# Altium PCB keyboard_main.PcbDoc (part 1 of 2)
Units mil, origin at the board's own origin, x right, y up, seen from the top; angles counter-clockwise.
Board outline 2610 x 2072.12 mil, 4 copper layers (Top Layer, GND, PWR, Bottom Layer), stack 64.646 mil thick; 120 components, 126 nets, 527 pads, 487 vias.
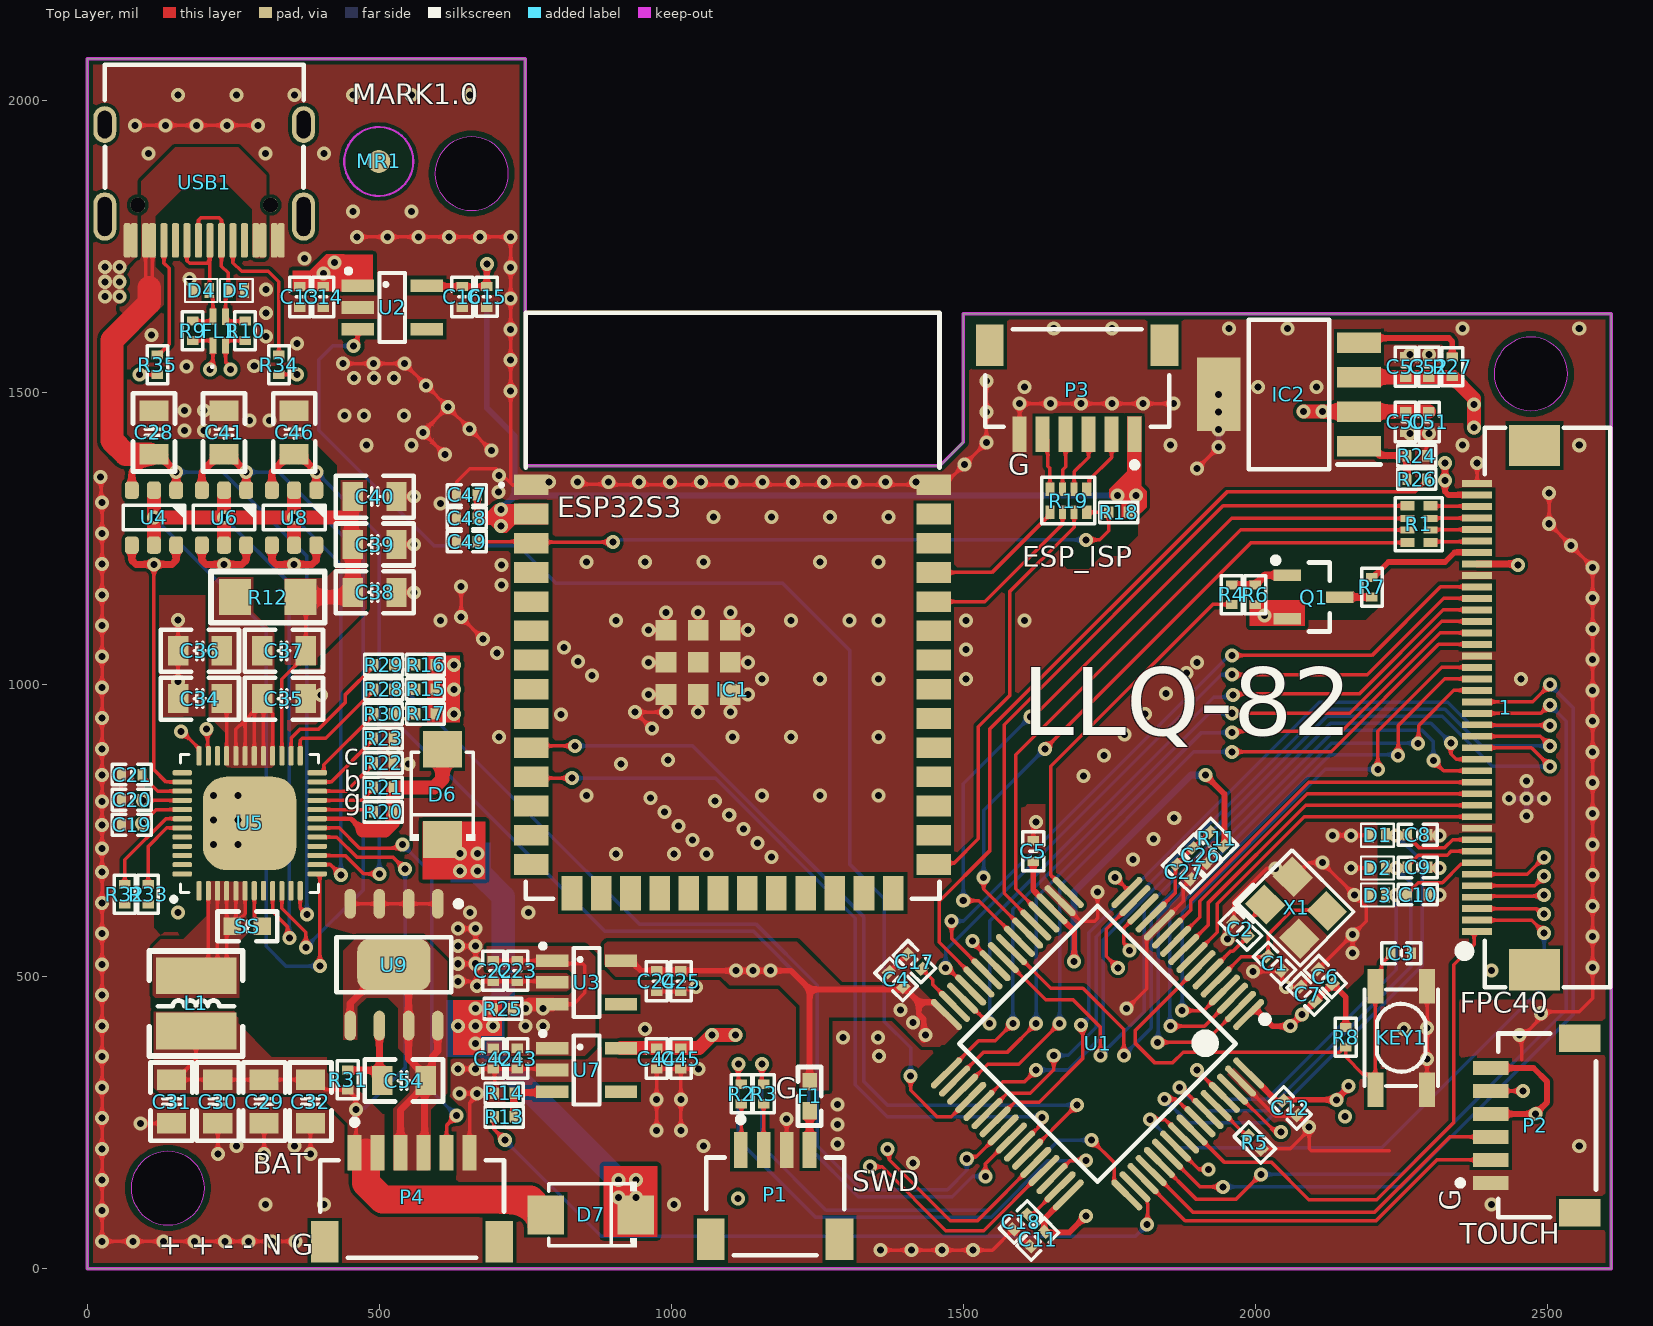
[diagram p0: Top Layer view]
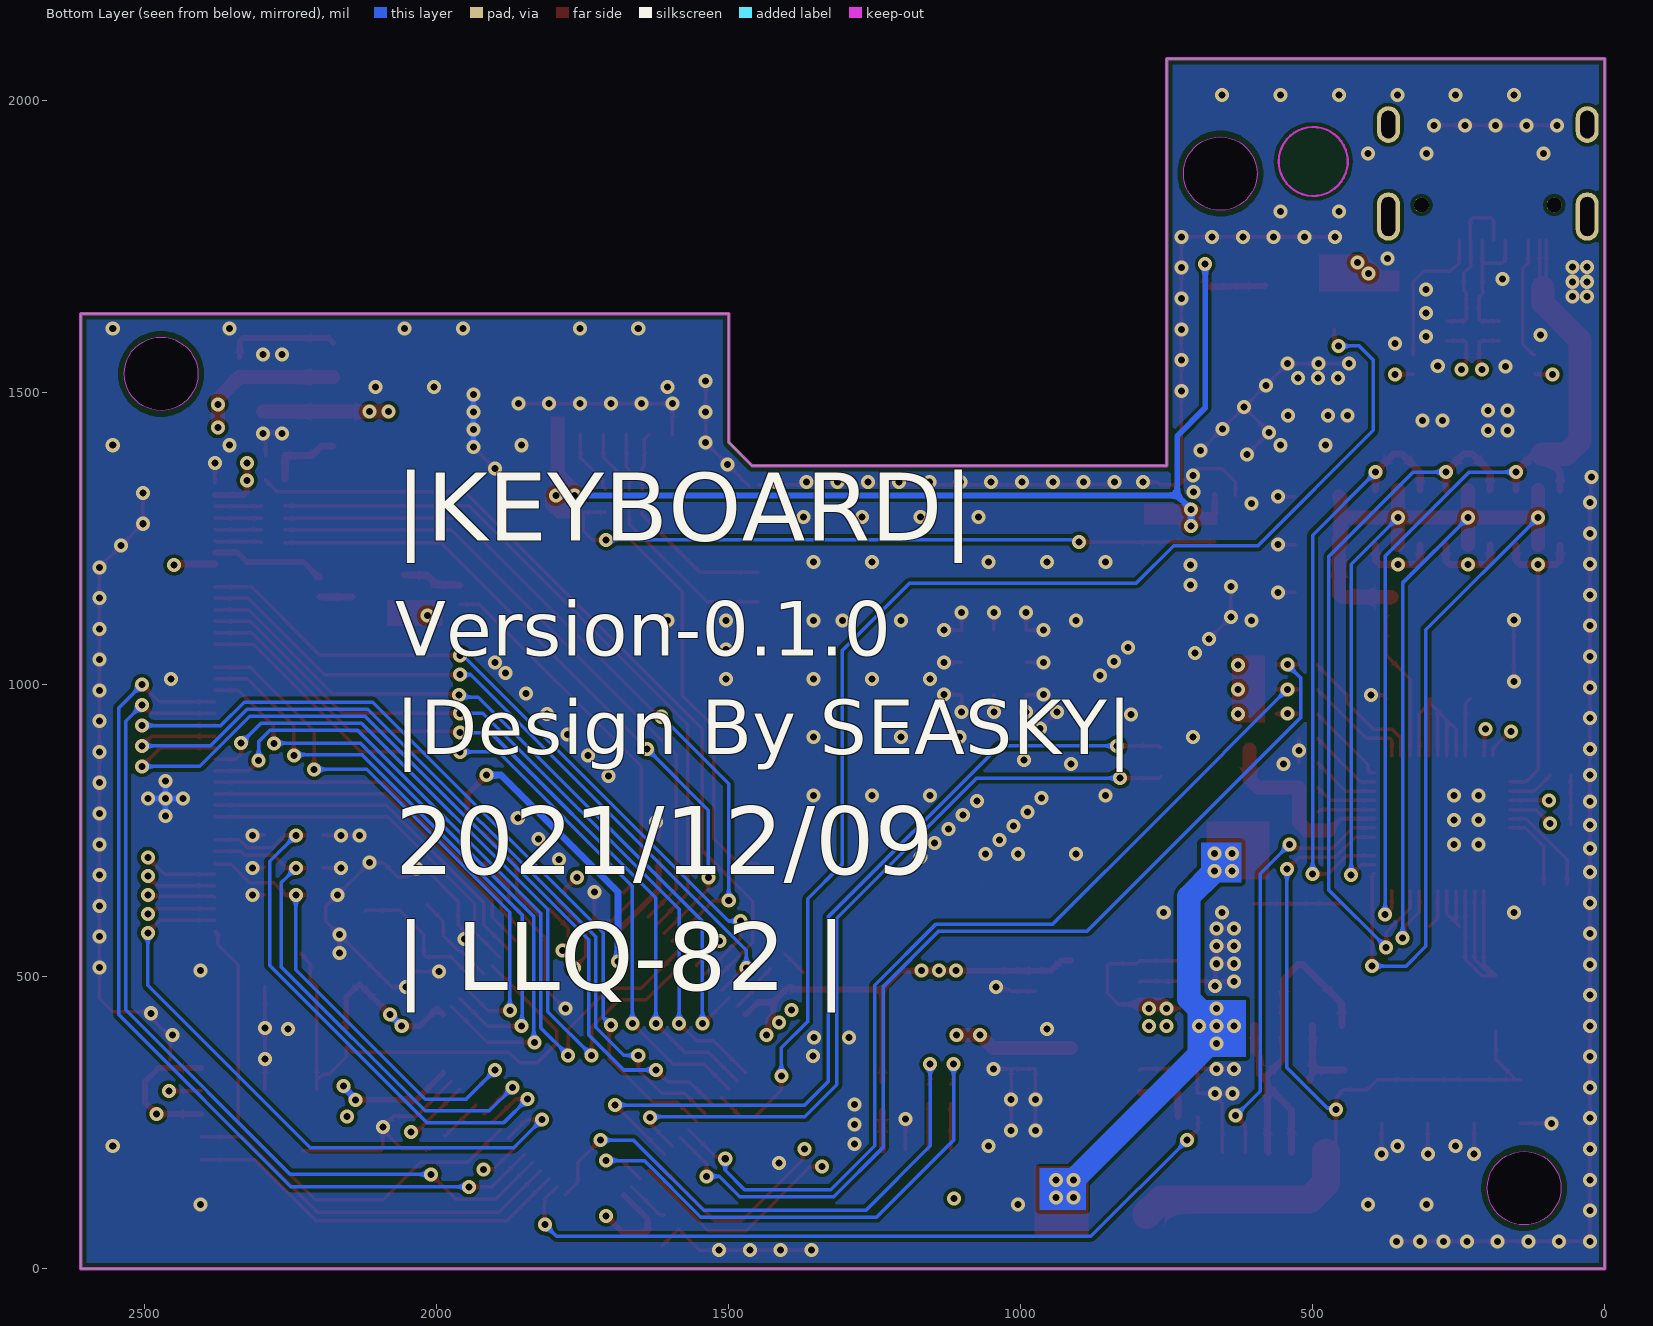
[diagram p1: Bottom Layer view, seen from below]
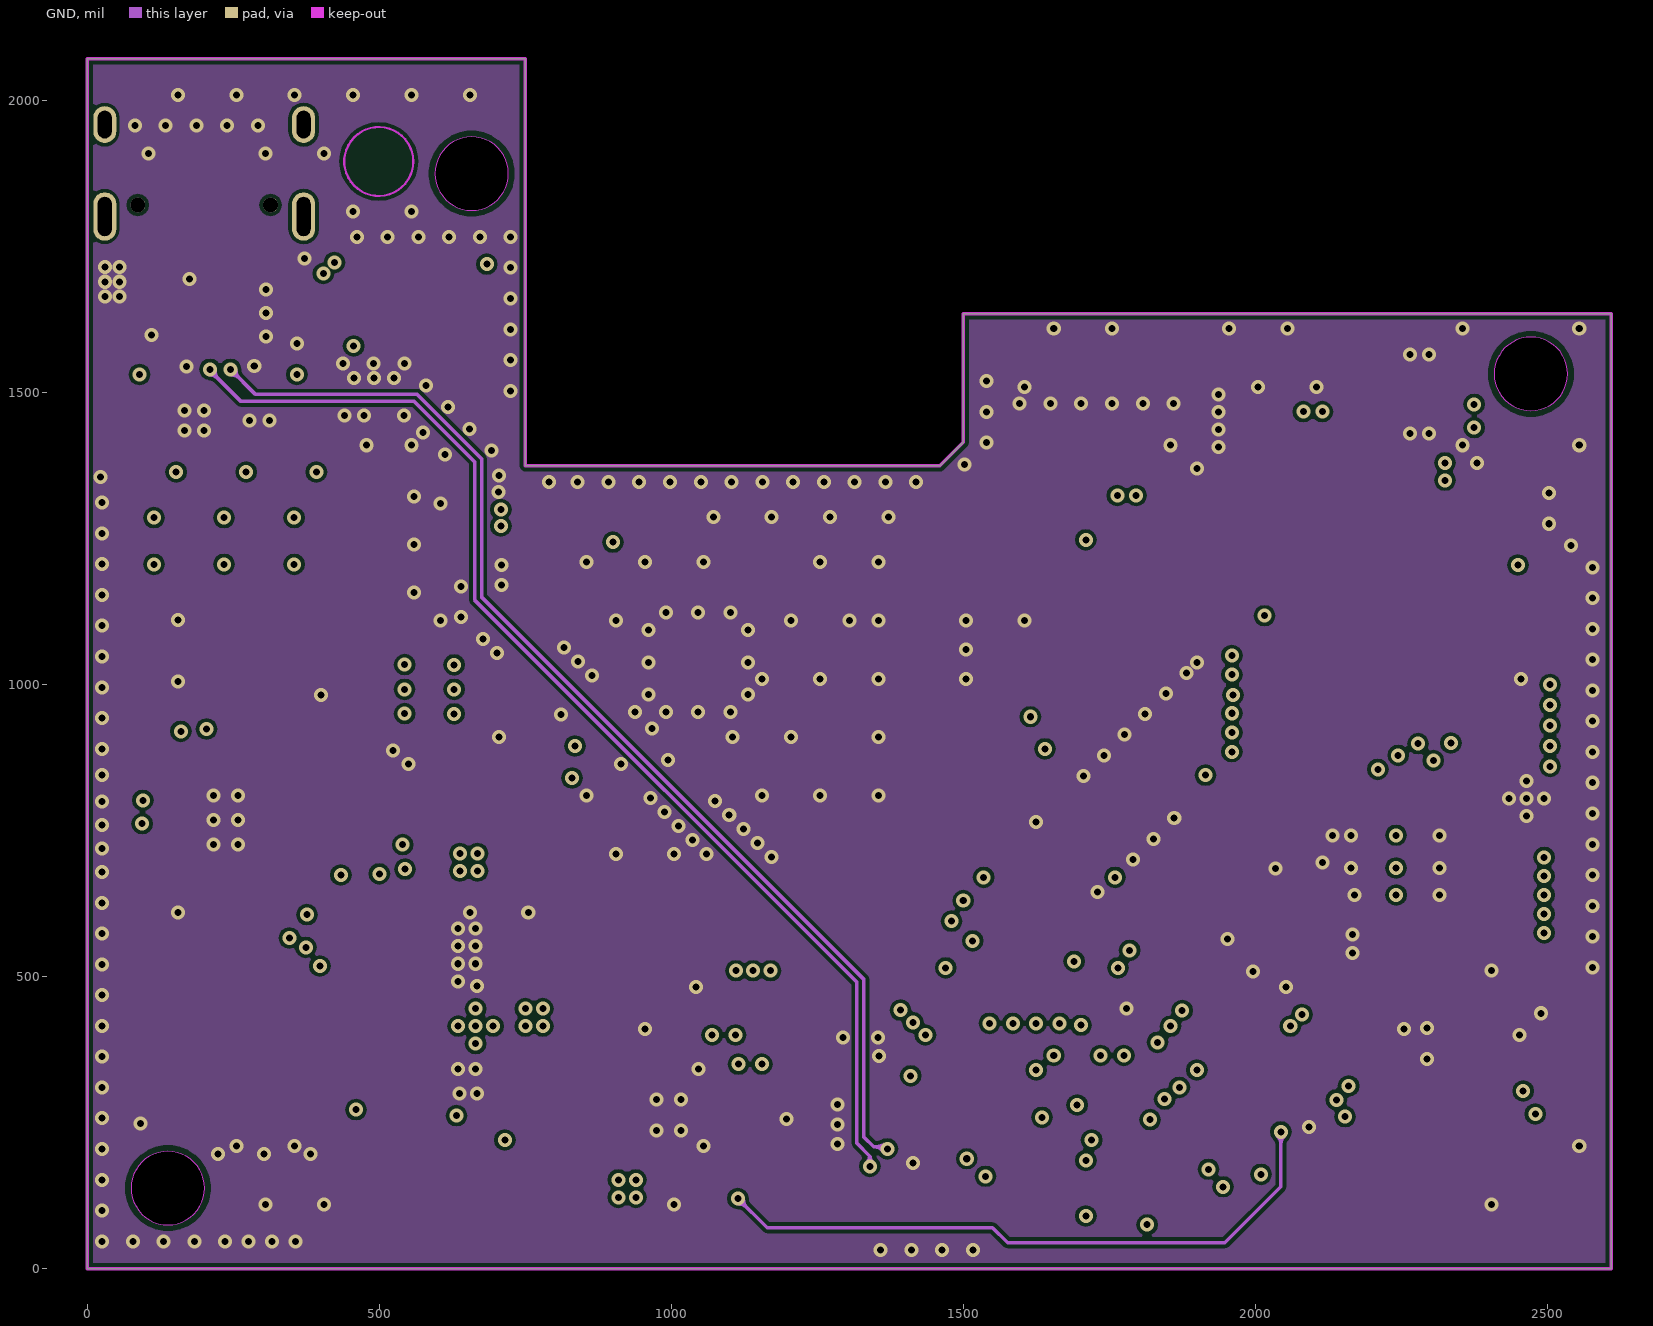
[diagram p2: GND]
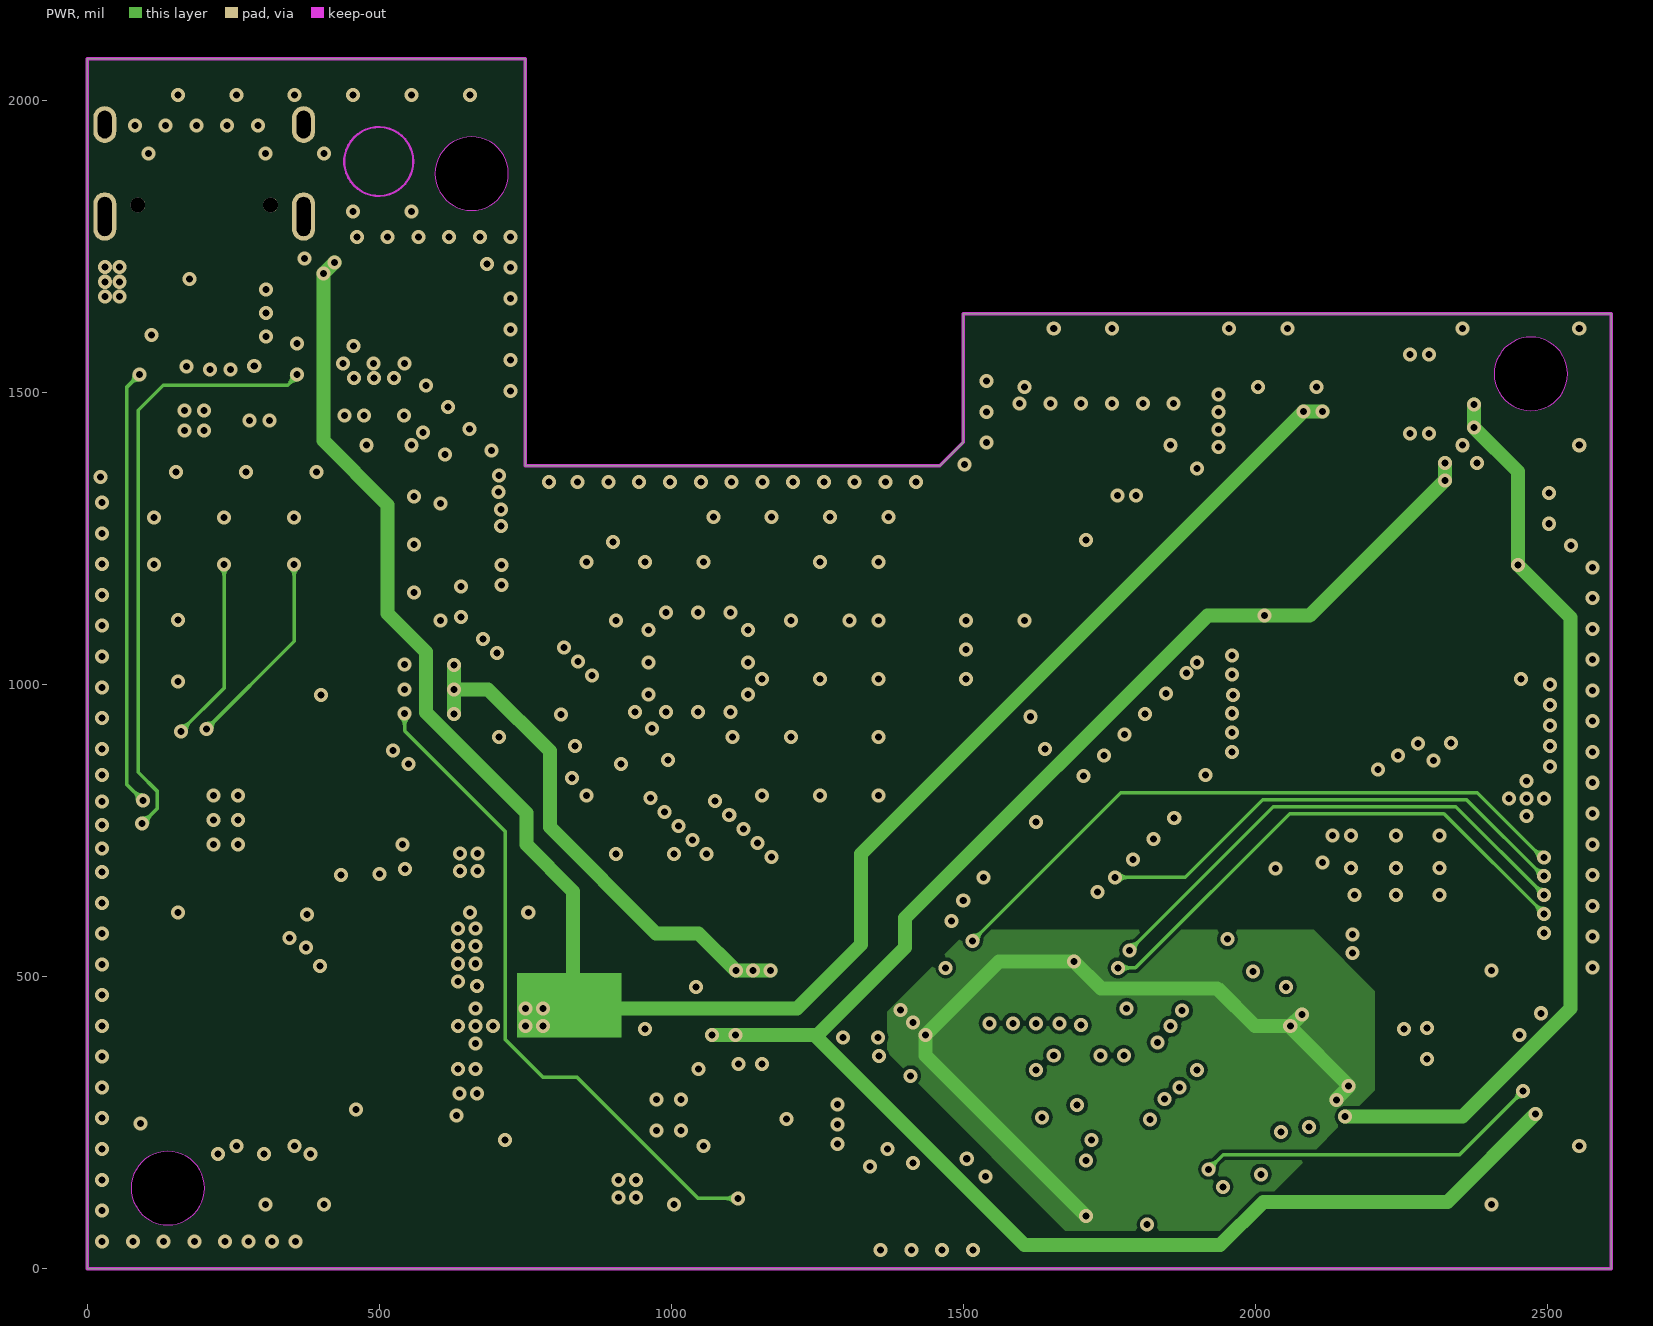
[diagram p3: PWR]
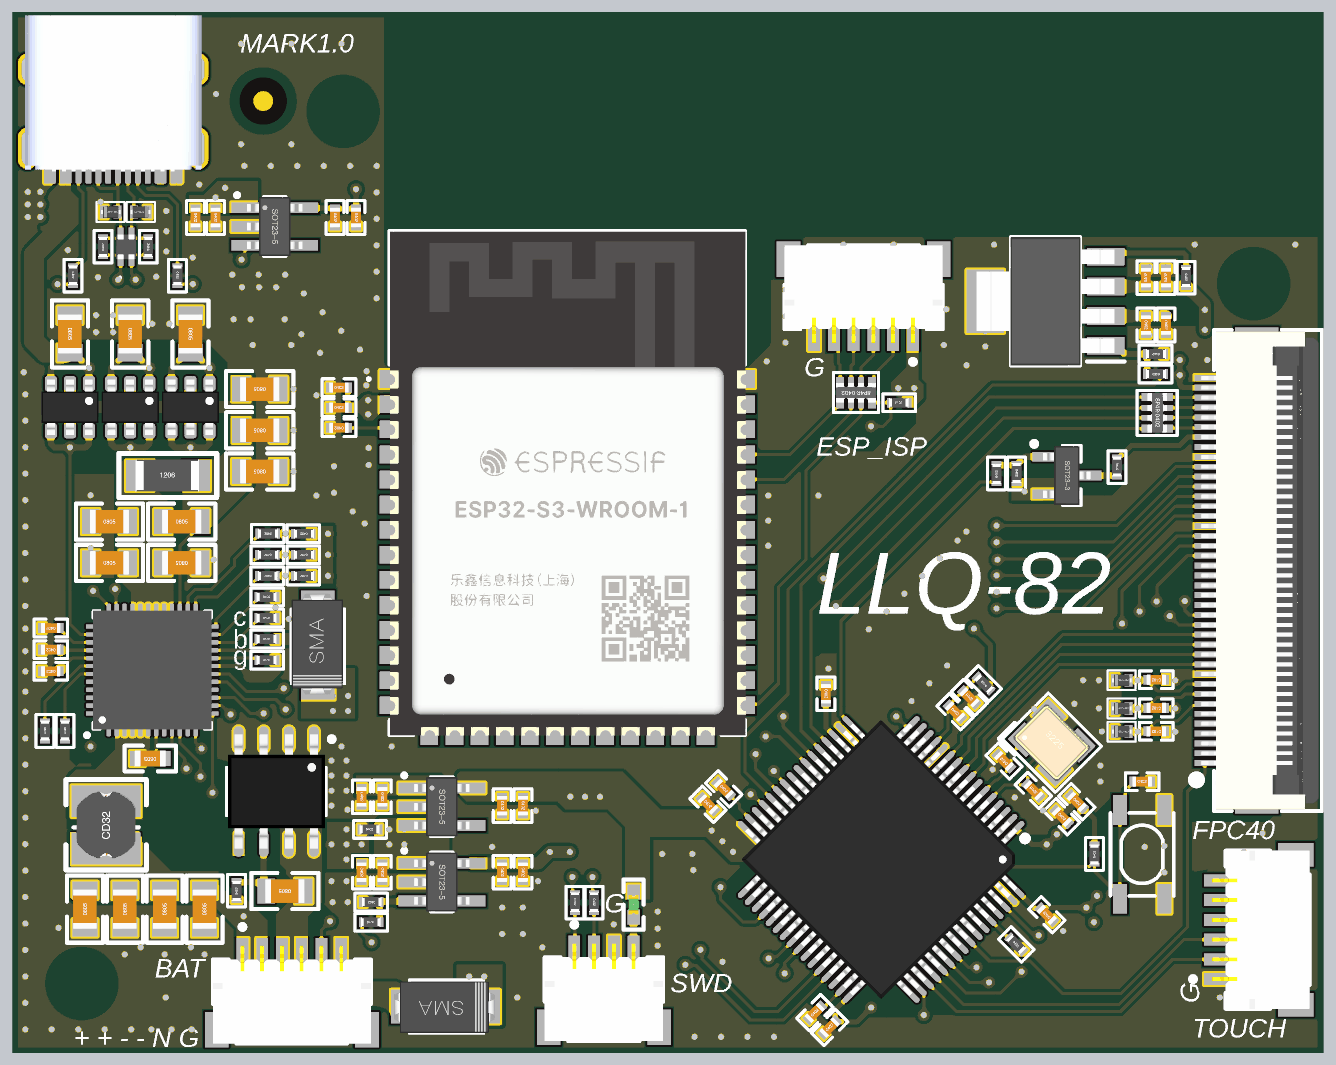
[diagram p5: 3D render of the assembled board from above, using the file's embedded part models]

## Layer stack, top to bottom
Top Solder: solder mask 0.3937, Solder Resist, Dk 3.5
Top Layer: signal copper 1.4173
Dielectric 2: prepreg 19.685, PP-006, Dk 4.1
GND: signal copper 1.378
Dielectric 1: dielectric 19.685, FR-4, Dk 4.8
PWR: signal copper 1.378
Dielectric 3: prepreg 19.685, PP-006, Dk 4.1
Bottom Layer: signal copper 1.4173
Bottom Solder: solder mask 0.3937, Solder Resist, Dk 3.5

## Board outline
0,0 0,2072.12 750,2072.12 750,1375 1460,1375 1500,1415 1500,1635 2610,1635 2610,0
cut-out: 595.12,1875.28 ccw(c658.11,1875.28) 658.11,1812.28 ccw(c658.11,1875.28) 721.1,1875.28 ccw(c658.11,1875.28) 658.11,1938.27 ccw(c658.11,1875.28)
cut-out: 2409.21,1532.2 ccw(c2472.2,1532.2) 2472.2,1469.21 ccw(c2472.2,1532.2) 2535.2,1532.2 ccw(c2472.2,1532.2) 2472.2,1595.2 ccw(c2472.2,1532.2)
cut-out: 74.8,137.8 ccw(c137.8,137.8) 137.8,74.8 ccw(c137.8,137.8) 200.79,137.8 ccw(c137.8,137.8) 137.8,200.79 ccw(c137.8,137.8)

## Design rules (kind name [scope] priority, off if disabled: settings)
BoardOutlineClearance [All] p1: gap=10 ignorepadtopadclearanceinfootprint=FALSE except(0: Arc-SplitContinuation Track-SplitContinuation SMDPad-SplitContinuation THPad-SplitContinuation Via-SplitContinuation Fill-SplitContinuation Poly-SplitContinuation Region-SplitContinuation Text-SplitContinuation)
Clearance [All] p1: gap=6 ignorepadtopadclearanceinfootprint=TRUE except(0: Arc-Hole Track-Hole SMDPad-Hole THPad-Hole Via-Hole Fill-Hole Poly-Hole Region-Hole Text-Hole)
DiffPairsRouting [All] p1: maxlimit=10 minlimit=6 mostfreqgap=10 toplayer_minwidth=6 toplayer_maxwidth=15 toplayer_prefwidth=6 midlayer1_minwidth=6 midlayer1_maxwidth=15 midlayer1_prefwidth=6 midlayer2_minwidth=6 midlayer2_maxwidth=15 midlayer2_prefwidth=6 bottomlayer_minwidth=6 bottomlayer_maxwidth=15 bottomlayer_prefwidth=6 maxuncoupledlength=500
PlaneConnect [All] p1: planeconnectstyle=Direct reliefexpansion=20 reliefentries=4 reliefconductorwidth=10 reliefairgap=10
PolygonConnect [All] p1: connectstyle=Direct reliefconductorwidth=10 reliefentries=4 polygonreliefangle="90 Angle" airgapwidth=10
RoutingVias [All] p1: holewidth=12 width=24 viastyle="Through Hole" minholewidth=12 minwidth=24 maxholewidth=24 maxwidth=48
SolderMaskExpansion [All] p1: expansion=4 istentingtop=FALSE
Width [All] p1: maxlimit=100 minlimit=6 preferedwidth=10
28 further rules are at their usual default settings.

## Classes and differential pairs
differential pair USB: +USB_P -USB_N
differential pair USB_FS: +USB_FS_P -USB_FS_N

## Components (designator, comment, footprint, x,y, rotation, side; value= is the part's Value field where it differs from the comment)
1 "FPC1.0-40P" "FPC0.5 2H-WS-40P" 2478.31,960.75 r90 top locked
C1 "22pF" "C 0402_L" 2033.24,522.56 r315 top
C2 "22pF" "C 0402_L" 1974.78,581.02 r135 top
C3 "0.1uF" "C 0402_L" 2250,540 r0 top
C4 "0.1uF" "C 0402_L" 1385,495 r315 top
C5 "0.1uF" "C 0402_L" 1620,715 r270 top
C6 "0.1uF" "C 0402_L" 2120,500 r315 top
C7 "0.1uF" "C 0402_L" 2090,470 r315 top
C8 "47pF" "C 0402_L" 2278.22,743 r180 top
C9 "47pF" "C 0402_L" 2278.22,687 r180 top
C10 "47pF" "C 0402_L" 2278.22,640.34 r180 top
C11 "0.1uF" "C 0402_L" 1627.5,50.43 r45 top
C12 "2.2uF" "C 0402_L" 2060,275 r135 top
C13 "4.7uF" "C 0402_L" 364,1663.94 r270 top
C14 "0.1uF" "C 0402_L" 404,1663.94 r270 top
C15 "4.7uF" "C 0402_L" 684,1664 r270 top
C16 "0.1uF" "C 0402_L" 642,1663.94 r270 top
C17 "2.2uF" "C 0402_L" 1416.46,525.61 r315 top
C18 "2.2uF" "C 0402_L" 1598.18,79.75 r45 top
C19 "330pF" "C 0402_L" 76,760 r180 top
C20 "330pF" "C 0402_L" 76,803 r180 top
C21 "330pF" "C 0402_L" 76,846 r180 top
C22 "4.7uF" "C 0402_L" 695,509.68 r270 top
C23 "0.1uF" "C 0402_L" 736.33,509.68 r270 top
C24 "4.7uF" "C 0402_L" 975,492.28 r270 top
C25 "0.1uF" "C 0402_L" 1016.43,492.28 r270 top
C26 "4.7uF" "C 0402_L" 1905.68,707.75 r315 top
C27 "0.1uF" "C 0402_L" 1877.4,679.47 r315 top
C28 "22uF" "C 0805_L" 114,1432 r270 top
C29 "22uF" "C 0805_L" 302.67,286 r90 top
C30 "22uF" "C 0805_L" 223.33,286 r90 top
C31 "22uF" "C 0805_L" 144,286 r90 top
C32 "0.1uF" "C 0805_L" 382,286 r90 top
C34 "22uF" "C 0805_L" 192.6,976 r0 top
C35 "22uF" "C 0805_L" 336.6,976 r180 top
C36 "22uF" "C 0805_L" 192.6,1058.01 r0 top
C37 "0.1uF" "C 0805_L" 336.6,1058.01 r0 top
C38 "22uF" "C 0805_L" 492,1158 r180 top
C39 "22uF" "C 0805_L" 492,1240 r180 top
C40 "0.1uF" "C 0805_L" 492,1322 r180 top
C41 "22uF" "C 0805_L" 234,1432 r270 top
C42 "4.7uF" "C 0402_L" 695,359.68 r270 top
C43 "0.1uF" "C 0402_L" 736.33,359.68 r270 top
C44 "4.7uF" "C 0402_L" 975,359.68 r270 top
C45 "0.1uF" "C 0402_L" 1016.43,359.68 r270 top
C46 "22uF" "C 0805_L" 354,1432 r270 top
C47 "0.1uF" "C 0402_L" 650,1325 r0 top
C48 "4.7uF" "C 0402_L" 650,1285 r0 top
C49 "1uF" "C 0402_L" 650,1245 r180 top
C50 "4.7uF" "C 0402_L" 2257.63,1449.82 r270 top
C51 "0.1uF" "C 0402_L" 2297.62,1449.82 r270 top
C52 "4.7uF" "C 0402_L" 2297.62,1544.31 r90 top
C53 "0.1uF" "C 0402_L" 2257.62,1544.31 r90 top
C54 "0.1uF" "C 0805_L" 542.12,322 r180 top
D1 "PESD5V0F1BL,315" SOD-882_L1.0-W0.6-BI 2209.22,742 r180 top
D2 "PESD5V0F1BL,315" SOD-882_L1.0-W0.6-BI 2209.22,686 r180 top
D3 "PESD5V0F1BL,315" SOD-882_L1.0-W0.6-BI 2209.22,639.67 r180 top
D4 "PESD5V0F1BL,315" SOD-882_L1.0-W0.6-BI 195,1675 r180 top
D5 "PESD5V0F1BL,315" SOD-882_L1.0-W0.6-BI 255,1675 r0 top
D6 "SSL34F" SMAF_L3.5-W2.6-LS4.7-RD 608,812 r90 top
D7 "SSL34F" SMAF_L3.5-W2.6-LS4.7-RD 862,92 r180 top
F1 "0.6A" "FU 0402" 1236.91,295 r270 top
FL1 "DLP11SN900HL2B" DLP11SA350HL2B 225.83,1605.39 r90 top
IC1 "ESP32-S3-WROOM-1" ESP32S3WROOM1 1105,1135 r0 top
IC2 "LP3875EMP-3.3_NOPB" SOT150P700X180-5N 2057.62,1497.06 r180 top
KEY1 "KEY_SMD" SMD-3.2*4.2 2250,395 r90 top
L1 "2.2uH" CD32 186,454 r90 top
MR1 "MARK1.0" "Mark 1" 499,1896 r0 top
P1 "SWD" JST-SM04B-SRSS-TB_V 1177.86,106.54 r0 top
P2 "TOUCH" JST-SM06B-SRSS-TB_V 2500,245 r90 top
P3 "ESP32_ISP" JST-SM06B-SRSS-TB_V 1695,1525 r180 top
P4 "TOUCH" JST-SM06B-SRSS-TB_V 556,102 r0 top
Q1 "SS8550" SOT23-3N 2100,1150 r270 top
R1 "22R" RCA-8P4R-0402 2280.31,1274.84 r270 top
R2 "0R" "R 0402_L" 1120,300 r270 top
R3 "0R" "R 0402_L" 1158.18,300 r270 top
R4 "1K" "R 0402_L" 1960,1153.04 r90 top
R5 "10K" "R 0402_L" 1998.61,216.39 r315 top
R6 "10K" "R 0402_L" 2000,1155 r270 top
R7 "10R" "R 0402_L" 2200,1167.71 r270 top
R8 "10K" "R 0402_L" 2155,395 r90 top
R9 "22R" "R 0402_L" 180,1605 r90 top
R10 "22R" "R 0402_L" 270,1605 r90 top
R11 "0R" "R 0402_L" 1935,735 r135 top
R12 "5mR" "R 1206_L" 308,1150 r0 top
R13 "10R" "R 0402_L" 713.04,260 r0 top
R14 "10K" "R 0402_L" 715,300 r180 top
R15 "4.7K" "R 0402_L" 580,992 r180 top
R16 "4.7K" "R 0402_L" 580,1034 r180 top
R17 "4.7K" "R 0402_L" 580,950 r180 top
R18 "10K" "R 0402_L" 1765,1295 r0 top
R19 "0R" RCA-8P4R-0402 1680,1315 r180 top
R20 "10K" "R 0402_L" 505.75,782 r0 top
R21 "10K" "R 0402_L" 505.75,824 r0 top
R22 "10K" "R 0402_L" 505.75,866 r0 top
R23 "0R" "R 0402_L" 505.75,908 r0 top
R24 "10K" "R 0402_L" 2277.62,1392.06 r180 top
R25 "0R" "R 0402_L" 710.75,445 r0 top
R26 "10R" "R 0402_L" 2277.62,1352.06 r180 top
R27 "0R" "R 0402_L" 2337.62,1545.29 r270 top
R28 "0R" "R 0402_L" 508.29,992 r180 top